# KiCad board SONATA-ONE.kicad_pcb (continued)
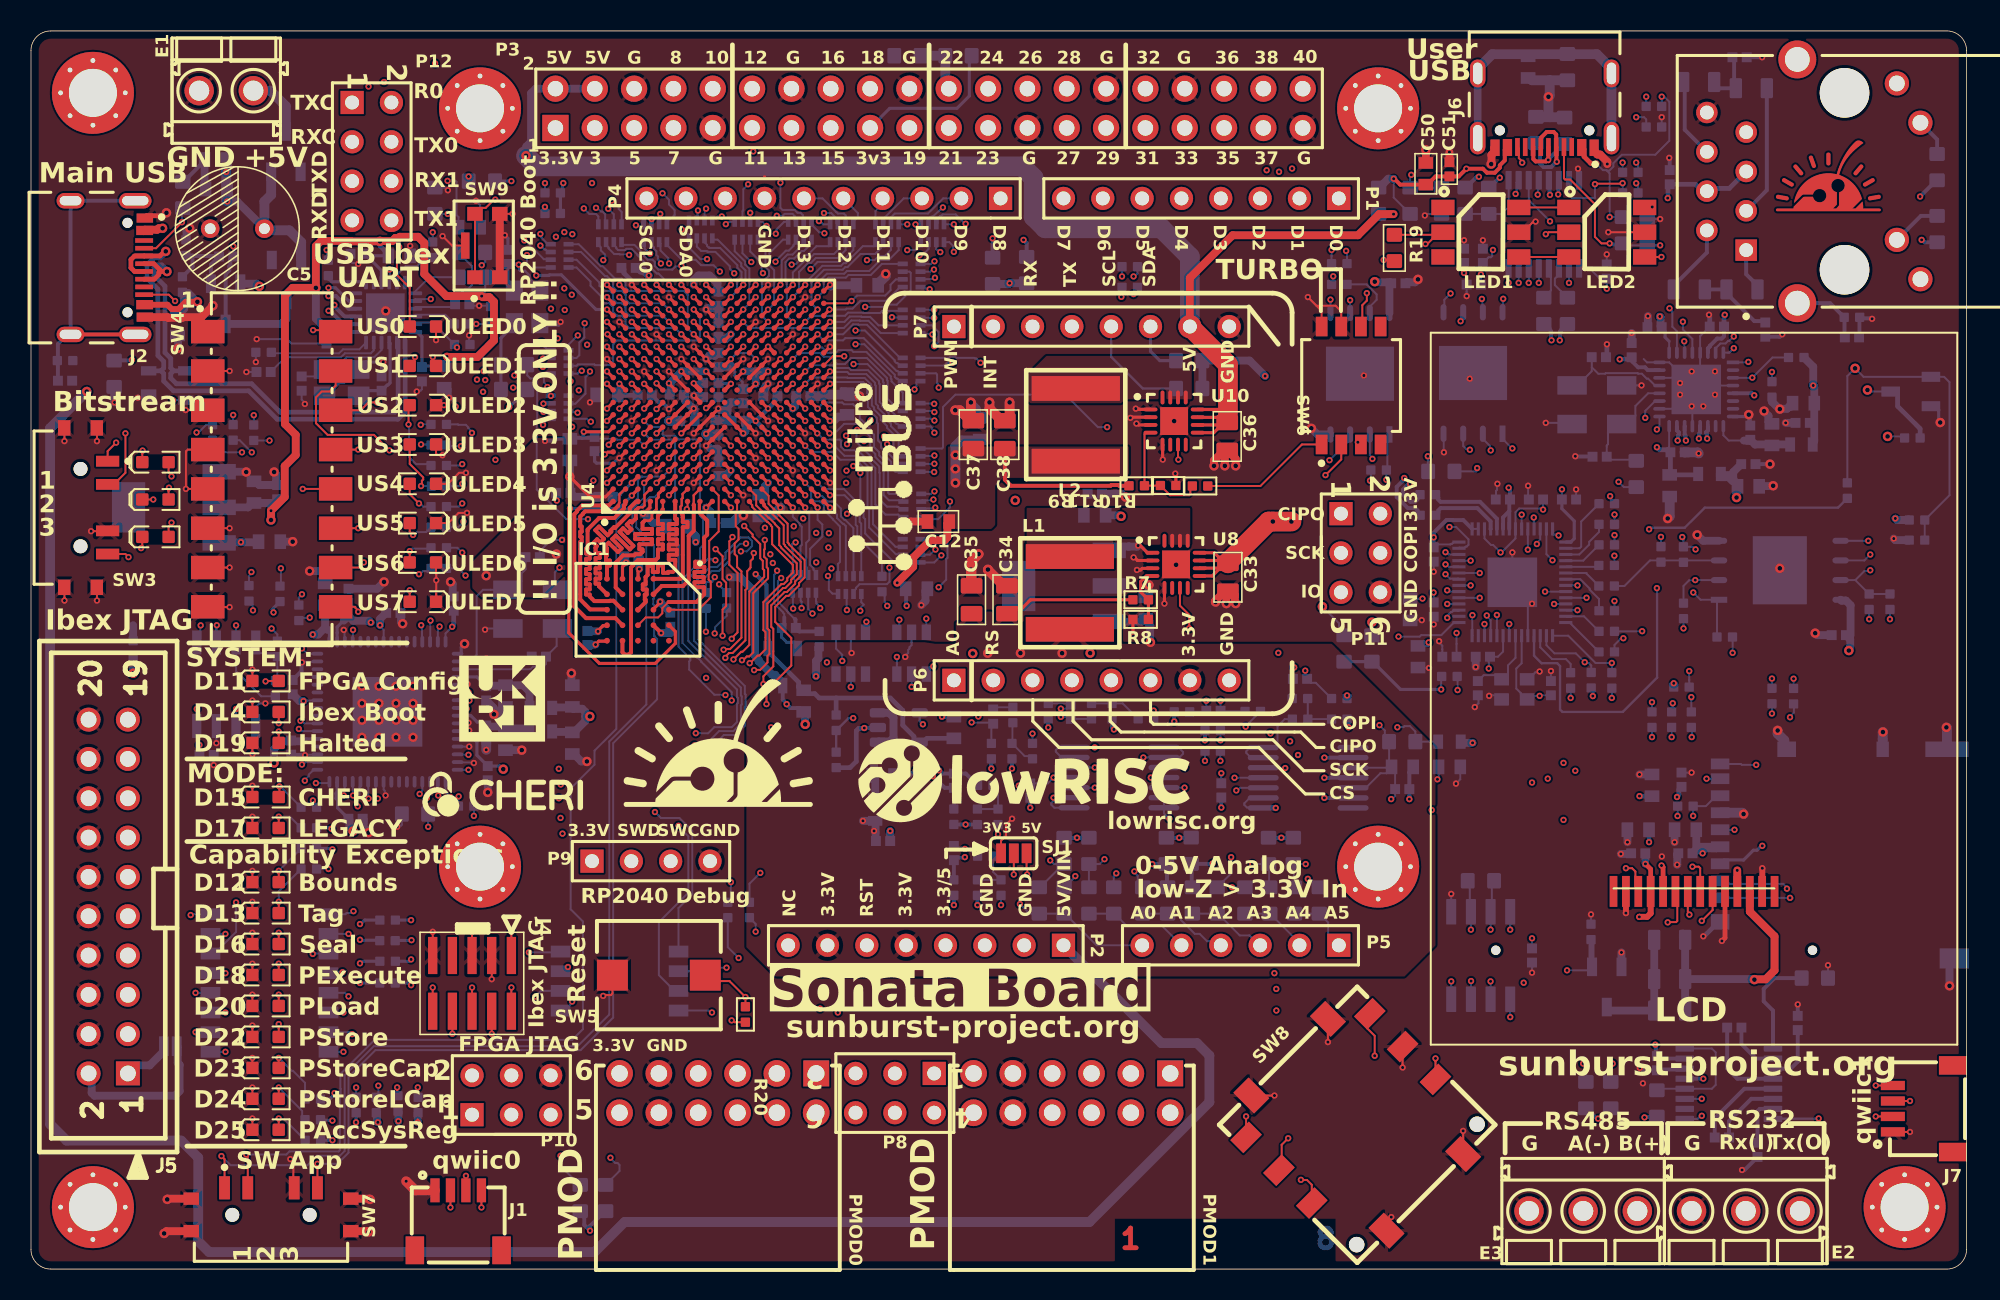
[diagram p0: board, top side]
## Routing (per net, layer and track width the routed paths; a pad name or vN(x,y) marks a point on that pad's centre or on a via; arc(x,y) is an arc through that point) (continued)
/IO Banks 14 + 34 + Flash/LED_HALTED: length 56.2
  Top w0.203: U4.L6 v2(46,53.2)
  In3.Cu w0.127: v2(42.93,34.62) 42.88,34.57 42.55,34.57 42.48,34.5 38,34.5 36.3,36.2 35.4,36.2 28.99,42.61 25.71,42.61 25.61,42.71 22.36,42.71 22.33,42.74 22.14,42.74 21.51,43.37 20.13,43.37 19.39,44.11 17.81,44.11 17.3,43.6
  In6.Cu w0.127: v2(46,53.2) 45.59,52.79 44.91,52.79 44.3,52.18 44.3,48.98 43.92,48.6 43.92,47.37 44.61,46.68 44.61,46.21 v2(44.2,45.8)
  Bottom w0.127: v2(17.5,43.6) 17.5,43.59 17.3,43.39 R159.1 ; v2(42.93,34.62) 42.94,34.62 43.73,34.62 44.13,35.01 45.26,35.01 45.59,35.35 45.59,36.52 45.65,36.58 45.65,36.9 45.59,36.96 45.59,37.44 42.45,40.58 42.45,44.61 43.74,45.9 43.87,45.9 43.91,45.85 44.15,45.85 v2(44.2,45.8)
/IO Banks 14 + 34 + Flash/LED_LEGACY: length 54.6
  Top w0.203: U4.K5 v2(45.2,52.4)
  In3.Cu w0.127: v2(42.85,33.83) 42.85,33.84 39.02,33.84 38.88,33.98 36.91,33.98 35.93,34.96 35.78,34.96 35.33,35.41 32.07,35.41 32,35.35 28.86,35.35 28.52,35.69 27.28,35.69 22.51,30.92 21.76,30.92 21.41,30.56 21.41,30.19 21.49,30.11 21.49,29.74 20.21,28.45 v2(19.41,28.45)
  In4.Cu w0.127: v2(46.18,46.88) 45.89,47.17 45.89,47.27 45.5,47.66 45.5,48.9 45.59,48.99 45.59,52.01 v2(45.2,52.4)
  Bottom w0.127: v2(42.85,33.83) 42.9,33.78 42.9,33.58 43.2,33.29 43.52,33.29 44.74,34.51 45.5,34.51 46.1,35.1 46.1,36.31 46.16,36.37 46.16,37.11 46.1,37.17 46.1,37.68 43.11,40.67 43.11,44.26 43.95,45.1 44.42,45.1 45.1,45.79 45.1,46.19 45.78,46.87 46.17,46.87 v2(46.18,46.88)
  Bottom w0.203: v2(19.41,28.45) 19.34,28.51 R157.1
/IO Banks 14 + 34 + Flash/MICROSD_CLK: length 78.8
  Top w0.203: U4.U6 v2(50.8,53.2)
  In4.Cu w0.127: v2(50.8,53.2) 51.21,52.79 52.29,52.79 52.43,52.65 53.29,52.65 53.49,52.45 54.55,52.45 57.23,49.77 57.23,49.77 58.19,48.81 67.34,48.81 67.92,49.39 77.61,49.39 86.9,40.1 91.02,40.1 91.63,40.71 102.33,40.71 103.04,40 105.73,40 v2(107.09,38.64)
  In6.Cu w0.203: v2(110.02,28.38) 110.02,29.27 107.76,31.52 107.76,32.78 106.82,33.72 106.82,34.66 105.32,36.16 105.32,36.46 107.05,38.19 107.05,38.6 v2(107.09,38.64)
  Bottom w0.127: v2(110.02,28.38) SD1.5 ; R162.1 107.09,38.06 v2(107.09,38.64)
/IO Banks 14 + 34 + Flash/MICROSD_CMD: length 82.6
  Top w0.203: U4.R8 v2(49.2,54.8)
  In4.Cu w0.127: v2(52.67,51.59) 52.74,51.59 52.88,51.45 52.92,51.45 53.04,51.32 53.12,51.32 53.5,50.94 54.91,50.94 56.85,49.01 56.92,49.01 57.5,48.42 57.5,48.35 57.97,47.89 70.71,47.89 70.73,47.9 76.13,47.9 84.8,39.23 91.24,39.23 91.95,39.95 102.02,39.95 104.69,37.28 v2(104.69,36.63)
  In6.Cu w0.127: v2(52.67,51.59) 52.62,51.63 52.62,51.98 51.81,52.79 51.77,52.79 51.76,52.79 50.65,52.79 50.4,53.04 50.4,53.62 50.39,53.63 50.39,54.21 50.19,54.41 49.59,54.41 v2(49.2,54.8)
  In6.Cu w0.203: v2(111.81,27.35) 111.75,27.35 111.47,27.63 111.23,27.63 111.12,27.75 109.64,27.75 107.94,29.45 107.94,30.24 106.33,31.85 106.33,33.33 104.69,34.98 v2(104.69,36.63)
  Bottom w0.127: R163.1 v2(104.69,36.63)
  Bottom w0.203: v2(111.81,27.35) 111.75,27.35 111.47,27.06 111.23,27.06 110.6,26.43 109.33,26.43 SD1.3
/IO Banks 14 + 34 + Flash/MICROSD_DAT0: length 68.9
  Top w0.203: U4.V4 v2(51.6,51.6)
  In4.Cu w0.127: v2(51.6,51.6) 51.68,51.6 51.83,51.45 51.87,51.45 52.25,51.07 52.25,50.64 52.48,50.41 52.58,50.41 52.71,50.28 53.41,50.28 54.45,49.23 55.91,49.23 56.64,48.5 56.71,48.5 57,48.21 57,48.14 57.76,47.38 70.92,47.38 70.94,47.4 75.92,47.4 84.59,38.73 89.48,38.73 90.12,38.1 90.98,38.1 91.47,37.61 91.47,37.16 92.96,35.66 100.73,35.66 104.27,32.12 104.27,31.97 106.14,30.11 106.52,30.11 v2(107.34,29.28)
  Bottom w0.127: SD1.7 108.83,30.58 108.16,29.91 R161.1 v2(107.34,29.28)
/IO Banks 14 + 34 + Flash/MICROSD_DAT1: length 79.8
  Top w0.203: U4.R7 v2(49.2,54)
  In4.Cu w0.127: v2(108.21,31.68) 105.21,31.68 100.97,35.92 93.07,35.92 91.72,37.27 91.72,37.72 91.09,38.35 90.22,38.35 89.59,38.98 84.69,38.98 76.02,47.65 70.83,47.65 70.82,47.63 57.86,47.63 57.25,48.25 57.25,48.32 56.81,48.76 56.74,48.76 56.02,49.48 54.56,49.48 52.98,51.07 52.93,51.07 52.8,51.19 52.48,51.19 52.19,51.49 52.19,51.57 51.76,51.99 50.65,51.99 50.4,52.24 50.4,53.36 50.15,53.61 49.59,53.61 v2(49.2,54)
  In6.Cu w0.203: v2(108.21,31.68) 111.5,31.68 113.21,33.39 113.21,34.25 113.32,34.36 113.32,34.57 113.33,34.58 113.33,35.02 113.32,35.03 113.32,35.32 113.6,35.6 v2(113.6,35.65)
  Bottom w0.127: R160.1 113.85,36.49 113.85,35.96 113.6,35.7 v2(113.6,35.65) ; v2(108.21,31.68) 108.33,31.68 SD1.8
/IO Banks 14 + 34 + Flash/MICROSD_DAT2: length 90.1
  Top w0.203: U4.V5 v2(51.6,52.4)
  In4.Cu w0.127: v2(107.23,36.95) 105.99,36.95 104.73,38.22 104.46,38.22 102.23,40.45 91.74,40.45 91.13,39.84 85.66,39.84 76.37,49.13 68.02,49.13 67.45,48.56 58.09,48.56 58.01,48.63 58.01,48.63 57.13,49.52 57.12,49.52 54.44,52.2 53.39,52.2 53.3,52.28 52.44,52.28 52.32,52.4 v2(51.6,52.4)
  In6.Cu w0.127: v2(113.6,23.98) 113.61,23.99 113.99,23.99 114.78,24.78 114.78,36.27 114.1,36.95 v2(107.23,36.95)
  Bottom w0.127: SD1.1 v2(113.6,23.98) 113.75,23.98 113.75,23.91 ; R165.1 v2(107.23,36.95)
/IO Banks 14 + 34 + Flash/MICROSD_DAT3: length 90.6
  Top w0.203: U4.T8 v2(50,54.8)
  In4.Cu w0.127: v2(53.11,51.89) 53.12,51.9 54.31,51.9 56.95,49.26 57.02,49.26 57.76,48.53 57.76,48.46 58.08,48.14 70.61,48.14 70.62,48.16 76.23,48.16 84.8,39.59 91.23,39.59 91.84,40.2 102.12,40.2 104.36,37.96 104.62,37.96 v2(106.03,36.56)
  In6.Cu w0.127: v2(50,54.8) 50.05,54.75 50.3,54.75 50.64,54.41 50.94,54.41 51.18,54.17 51.18,53.84 51.42,53.59 51.73,53.59 52.05,53.27 52.05,53.03 52.99,52.09 52.99,52.08 53.11,51.96 v2(53.11,51.89) ; v2(106.03,36.56) 113.86,36.56 114.25,36.18 114.25,25.42 v2(113.4,24.58)
  Bottom w0.127: R164.1 106.03,36.07 v2(106.03,36.56) ; v2(113.4,24.58) 113.4,24.65 113.16,24.89 109.28,24.89 SD1.2
/IO Banks 14 + 34 + Flash/QSPI_CS: length 12.1
  In6.Cu w0.127: v2(102.26,48.75) 102.29,48.75 107.33,43.72 v2(107.35,43.72)
  Bottom w0.127: R57.1 v2(102.26,48.75) ; R50.1 108.88,43.12 U17.1 107.82,43.25 v2(107.35,43.72)
/IO Banks 14 + 34 + Flash/QSPI_D0: length 106
  In4.Cu w0.127: v2(44.15,41.07) 44.18,41.1 44.18,41.56 44.53,41.91 47.63,41.91 48.06,41.47 48.06,41.47 48.81,40.72 49.17,40.72 50.6,39.29 50.6,39.08 51.14,38.55 58.44,38.55 58.66,38.77 58.66,38.87 58.85,39.06 77.69,39.06 83.31,33.44 83.69,33.44 83.92,33.21 83.92,32.85 87.75,29.02 v2(98.97,29.02)
  In6.Cu w0.127: v2(118.66,47.06) 114.67,43.07 105.28,43.07 104.85,43.5 104.79,43.5 104.5,43.79 104.5,43.85 v2(102.26,46.1) 101.49,45.33 101.49,42.92 99.18,40.6 98.86,40.6 96.54,38.28 96.54,31.27 97.64,30.17 97.82,30.17 v2(98.97,29.02)
  Bottom w0.127: R60.1 v2(102.26,46.1) ; v2(44.15,41.07) 44.18,41.1 44.18,41.47 44.93,42.22 44.93,42.7 R47.2 ; U17.5 v2(118.66,47.06)
/IO Banks 14 + 34 + Flash/QSPI_D1: length 14.8
  In6.Cu w0.127: v2(107.48,44.52) 107.82,44.86 107.82,46.27 108.1,46.54 108.1,47.64 107.82,47.92 107.82,47.94 105.69,50.08 103.94,50.08 103.8,49.94 v2(101.98,49.94)
  Bottom w0.127: R48.2 106.72,44.14 107.09,44.5 107.47,44.5 v2(107.48,44.52) U17.2 ; R55.1 102.03,49.68 102.03,49.89 v2(101.98,49.94)
/IO Banks 14 + 34 + Flash/QSPI_D2: length 7.4
  Bottom w0.127: U17.3 104.56,45.79 102.91,44.14 R61.1
/IO Banks 14 + 34 + Flash/QSPI_D3: length 23
  In6.Cu w0.127: v2(118.78,45.15) 116.45,42.82 102.61,42.82 v2(102.26,43.16)
  Bottom w0.127: v2(118.78,45.15) 118.73,45.1 118.4,45.1 117.81,44.52 ; R51.2 R45.2 117.81,44.52 ; R63.1 v2(102.26,43.16) ; 117.81,44.52 U17.7
/IO Banks 14 + 34 + Flash/QSPI_SCLK: length 130
  In3.Cu w0.127: v2(90.46,29.66) 90.87,29.66 98.55,37.34 98.55,40.01 102.65,44.11 102.65,46.45 102.26,46.83 v2(102.26,47.42)
  In6.Cu w0.127: v2(102.26,47.42) 105.19,44.5 105.21,44.5 105.5,44.21 105.5,44.19 106.36,43.32 109.85,43.32 114.6,48.07 118.53,48.07 119.29,47.31 119.29,46.68 v2(118.78,46.17) ; v2(90.46,29.66) 86.64,29.66 83.02,26.03 83.02,18.74 80.21,15.93 47.17,15.93 44.52,18.57 44.52,25.7 44.79,25.97 44.79,33.56 43.99,34.36 43.99,38.36 43.59,38.77 v2(43.59,41.18)
  Bottom w0.127: R59.1 v2(102.26,47.42) ; v2(118.78,46.17) 118.4,45.79 U17.6 ; v2(43.59,41.18) 43.59,42.69 R52.1
/IO Banks 14 + 34 + Flash/RP2040_CLK: length 78.4
  Top w0.203: U4.T14 v2(50,60.4)
  In4.Cu w0.127: v2(53.8,53.5) 53.8,55.13 53.73,55.2 53.3,55.2 52.12,56.38 52.12,59.78 51.89,60.01 50.39,60.01 v2(50,60.4) ; v2(96.94,31.44) 95.67,32.71 85.45,32.71 76.31,41.84 75.64,41.84 74.62,42.87 73.62,42.87 73.36,42.61 65.72,42.61 65.63,42.52 58.31,42.52 57.89,42.94 57.89,43.06 57.66,43.29 57.54,43.29 56.82,44.02 56.82,44.03 55.94,44.9 55.31,44.9 54.94,45.27 v2(51.69,45.27)
  In6.Cu w0.127: v2(51.69,45.27) 52.1,45.68 52.1,47.1 54.53,49.53 54.53,52.77 v2(53.8,53.5) ; v2(96.94,31.44) 96.94,32.96 99.48,35.5 99.48,36.86 v2(99.43,36.9)
  Bottom w0.127: v2(99.43,36.9) R70.1
/IO Banks 14 + 34 + Flash/RP2040_PREQ: length 49.9
  In1.Cu w0.127: v2(80.55,39.82) 78.58,41.79 74.64,41.79 74.15,41.31 72.9,41.31 72.4,41.81 71.57,41.81 70.94,42.45 55.7,42.45 v2(55.3,42.85)
  In3.Cu w0.127: v2(99.87,44.17) 93.53,44.17 91.94,42.58 90.96,42.58 90.19,41.82 90.19,41.75 89.71,41.26 82,41.26 v2(80.55,39.82)
  Bottom w0.127: R171.2 55.13,43.59 55.13,43.1 55.3,42.93 v2(55.3,42.85) ; U11.8 v2(99.87,44.17)
/IO Banks 14 + 34 + Flash/RP2040_RX: length 83.2
  Top w0.203: U4.M17 v2(46.8,62.8)
  In4.Cu w0.127: v2(46.8,62.8) 47.19,62.41 49.35,62.41 49.61,62.15 49.61,57.04 50.04,56.6 51.1,56.6 51.71,55.99 51.73,55.99 52.7,55.03 52.7,54.31 52.64,54.24 v2(52.64,53.85) ; v2(98.97,32.71) 98.07,33.61 92.68,33.61 92.01,34.28 90.79,34.28 88.56,36.52 82.71,36.52 76.63,42.6 76.29,42.6 76,42.89 76,43.23 75.6,43.63 73.85,43.63 73.57,43.9 72.83,43.9 72.55,43.63 65.55,43.63 65.21,43.28 58.67,43.28 58.66,43.3 58.66,43.38 57.98,44.06 57.9,44.06 57.57,44.39 57.57,45.3 56.63,46.24 55.77,46.24 54.46,47.55 v2(51.53,47.55)
  In6.Cu w0.127: v2(52.64,53.85) 52.71,53.85 52.87,53.69 52.89,53.69 52.89,53.67 53.1,53.46 53.1,53.14 53.46,52.79 53.48,52.79 53.62,52.65 54.28,51.99 54.28,50.77 52.7,49.19 52.54,49.19 52.08,48.74 52.08,48.1 v2(51.53,47.55) ; v2(98.97,32.71) 99.48,33.21 99.48,33.72 101.51,35.75 101.51,36.32 v2(102.09,36.9)
  Bottom w0.127: R68.1 v2(102.09,36.9)
/IO Banks 14 + 34 + Flash/RP2040_SPARE: length 71.5
  Top w0.203: U4.P4 v2(48.4,51.6)
  In4.Cu w0.127: v2(97.95,31.69) 96.68,32.96 85.55,32.96 76.41,42.1 76.08,42.1 75.5,42.68 75.5,43.01 75.39,43.12 73.64,43.12 73.36,43.39 73.04,43.39 72.76,43.12 65.76,43.12 65.42,42.78 58.42,42.78 58.15,43.05 58.15,43.17 57.77,43.55 57.65,43.55 57.06,44.14 57.06,44.9 56.24,45.72 53.97,45.72 53.92,45.66 51.65,45.66 51.65,45.66 51.53,45.66 51.48,45.61 50.76,45.61 v2(50.71,45.66)
  In6.Cu w0.127: v2(100.86,37.02) 100.86,35.87 97.95,32.96 v2(97.95,31.69) ; v2(48.4,51.6) 48.01,51.21 47.27,51.21 47.19,51.13 47.19,49.06 46.97,48.84 46.97,47.77 47.23,47.51 47.7,47.51 48.3,46.9 48.3,46.8 49.44,45.66 v2(50.71,45.66)
  Bottom w0.127: R69.1 100.86,37.44 v2(100.86,37.02)
/IO Banks 14 + 34 + Flash/RP2040_TX: length 93
  Top w0.254: U4.K18 v2(45.2,63.6)
  In4.Cu w0.127: v2(50.71,47.57) 51.26,47.02 54.63,47.02 55.66,45.99 56.52,45.99 57.31,45.2 57.31,44.28 57.8,43.8 57.87,43.8 58.4,43.27 58.4,43.2 58.57,43.03 65.31,43.03 65.66,43.37 72.66,43.37 72.93,43.65 73.47,43.65 73.74,43.37 75.5,43.37 75.75,43.12 75.75,42.79 76.19,42.35 76.52,42.35 85.66,33.21 96.79,33.21 97.81,32.2 v2(99.73,32.2) ; v2(45.2,63.6) 45.59,63.21 45.59,60.25 45.84,60 47.76,60 48,59.76 48,55.4 48.19,55.21 52.09,55.21 52.31,54.99 52.31,54.07 52.24,54.01 52.24,53.68 52.63,53.3 v2(52.7,53.3)
  In6.Cu w0.127: v2(52.7,53.3) 52.7,53.22 52.85,53.08 52.85,53.04 53.35,52.53 53.38,52.53 53.51,52.4 53.51,52.4 54.02,51.89 54.02,50.88 52.59,49.45 52.43,49.45 51.83,48.84 51.83,48.68 v2(50.71,47.57) ; v2(99.73,32.2) 99.73,33.47 102.84,36.57 v2(102.84,40.76)
  Bottom w0.127: v2(102.84,40.76) 102.78,40.71 102.64,40.71 102.26,40.33 R66.1
/IO Banks 15 + 16/RGBLED0: length 149.9
  Top w0.203: v2(39.6,55.6) U4.D9
  In1.Cu w0.127: v2(51.4,39.2) 51.32,39.2 51.19,39.34 49.02,39.34 48.79,39.57 48.11,39.57 47.4,38.86 47.4,38.84 46.86,38.31 46.54,38.31 46.34,38.5 44.25,38.5 43.99,38.25 43.65,38.25 v2(43.6,38.2)
  In3.Cu w0.127: v1(117.8,58.2) 117.8,53.9 112.61,48.71 106.19,48.71 105.91,49 105.49,49 104.86,48.36 97.81,48.36 97.26,48.91 97.26,50.6 96.49,51.36 89,51.36 87.62,52.74 75.52,52.74 75.44,52.67 75.44,41.24 75.21,41.01 73.45,41.01 72.56,41.9 62.57,41.9 60.94,40.27 60.61,40.27 60.29,39.95 55.76,39.95 55.22,39.41 52.83,39.41 52.38,39.86 52.06,39.86 v2(51.4,39.2) ; v2(39.6,55.6) 39.21,55.99 36.59,55.99 36.49,55.89 36.49,55.84 36.26,55.61 36.21,55.61 35.31,54.71 35.23,54.71 v2(34.95,54.42)
  In4.Cu w0.127: v2(34.95,54.42) 35,54.37 35,52.5 34.3,51.8 34.3,50.3 35.58,49.02 35.58,45.66 43.04,38.2 v2(43.6,38.2)
  Bottom w0.127: R210.1 117.3,57.7 v1(117.8,58.2) 118.35,57.65 Q3.1 123.55,57.65 123.9,57.3 123.9,50 R193.2 R205.1
/IO Banks 15 + 16/USRLED0: length 17.1
  Top w0.203: v2(38,59.6) U4.B13
  In4.Cu w0.127: v2(38,59.6) 37.59,60.01 36.19,60.01 35.41,60.79 32.35,60.79 30.49,58.93 30.49,56.53 30.35,56.4 30.35,56.21 29.68,55.53 29.48,55.53 29.35,55.39 29.35,54.9 v2(28.48,54.03)
  Bottom w0.127: v2(28.48,54.03) 28.48,54.1 28.24,54.34 28.24,54.39 28.08,54.55 27.61,54.55 27.58,54.58 R138.1
/IO Banks 15 + 16/USRLED1: length 17.9
  Top w0.203: v2(38,60.4) U4.B14
  In4.Cu w0.127: v2(38,60.4) 37.59,60.81 37.04,60.81 36.33,61.51 34.45,61.51 34.36,61.59 34.04,61.59 33.48,61.04 32.25,61.04 30.24,59.03 30.24,56.64 30.1,56.5 30.1,56.31 29.57,55.78 29.38,55.78 29.09,55.5 29.09,55.2 27.7,53.81 27.7,53.64 27.76,53.57 27.76,53.19 v2(27.77,53.18)
  Bottom w0.127: v2(27.77,53.18) 26.91,53.18 R140.1
/IO Banks 15 + 16/USRLED2: length 19
  Top w0.203: v2(38.8,58.8) U4.C12
  In3.Cu w0.127: v2(38.8,58.8) 38.4,58.4 36.62,58.4 36.06,58.95 33.93,58.95 33.4,59.48 32.69,59.48 32.47,59.7 31.2,59.7 30.57,59.07 30.57,57.31 30.48,57.22 30.48,57.13 30.39,57.04 30.39,56.47 29.98,56.07 29.98,54.14 v2(27.85,52.01)
  Bottom w0.127: v2(27.85,52.01) 27.76,51.92 R142.1
/IO Banks 15 + 16/USRLED3: length 19.6
  Top w0.203: v2(38,58.8) U4.B12
  In4.Cu w0.127: v2(27.85,50.74) 28.17,51.06 28.25,51.06 29.6,52.41 29.6,54.97 30.61,55.97 30.61,56.29 30.75,56.43 30.75,58.82 32.46,60.53 34.22,60.53 35.27,59.48 35.38,59.48 35.64,59.22 36.58,59.22 36.61,59.19 37.61,59.19 v2(38,58.8)
  Bottom w0.127: v2(27.85,50.74) 27.7,50.59 R144.1
/IO Banks 15 + 16/USRLED4: length 18.4
  Top w0.203: v2(38,58) U4.B11
  In3.Cu w0.127: v2(38,58) 37.61,57.61 35.45,57.61 35.02,58.04 34.44,58.04 34.16,57.76 32.55,57.76 31.35,56.56 31.2,56.56 30.49,55.86 30.49,55.53 31.08,54.94 31.08,52.7 v2(27.85,49.47)
  Bottom w0.127: v2(27.85,49.47) 27.64,49.26 R147.1
/IO Banks 15 + 16/USRLED5: length 21.7
  Top w0.203: v2(37.2,58) U4.A11
  In3.Cu w0.127: 29.88,52.52 30.82,53.46 30.82,54.84 30.24,55.42 30.24,55.96 30.74,56.46 30.74,57.12 30.82,57.2 30.82,58.74 30.99,58.91 32.47,58.91 32.78,59.22 33.23,59.22 34,58.46 36.2,58.46 36.66,58 v2(37.2,58) ; 29.88,52.52 29.88,52.48 30,52.36 v2(30,52.29) ; 29.88,52.52 28.92,51.56 28.92,51.25 27.46,49.79 27.46,48.78 v2(27.93,48.31)
  Bottom w0.127: R149.1 27.58,47.93 27.93,48.28 v2(27.93,48.31)
/IO Banks 15 + 16/USRLED6: length 31.7
  Top w0.203: v2(41.2,59.6) U4.F13
  In1.Cu w0.127: v2(33.58,62.06) 33.64,62 33.64,61.71 33.75,61.6 33.75,60.67 33.63,60.55 33.63,59.67 34.1,59.2 40.8,59.2 v2(41.2,59.6)
  In4.Cu w0.127: v2(33.58,62.06) 33.58,61.98 33.39,61.79 33.39,61.78 33.3,61.69 32.18,61.69 29.73,59.24 29.73,56.85 29.59,56.71 29.59,56.52 29.36,56.29 29.17,56.29 27.12,54.24 27.12,47.02 v2(27.85,46.3)
  Bottom w0.127: R151.1 27.54,46.61 v2(27.85,46.3)
/IO Banks 15 + 16/USRLED7: length 32.9
  Top w0.203: v2(41.2,60.4) U4.F14
  In1.Cu w0.127: v2(41.2,60.4) 40.8,60.8 37.07,60.8 37,60.72 35.59,60.72 35.08,61.24 35.08,61.32 34.47,61.92 v2(34.47,61.97)
  In4.Cu w0.127: v2(25.06,44.9) 27.01,44.9 28.24,46.13 28.24,47.44 27.38,48.3 27.38,53.84 28.84,55.31 28.84,55.6 29.27,56.04 29.47,56.04 29.84,56.42 29.84,56.61 29.98,56.75 29.98,59.14 32.14,61.29 33.38,61.29 34.06,61.97 v2(34.47,61.97)
  Bottom w0.127: R153.1 25.66,45.1 25.33,45.1 25.13,44.9 v2(25.06,44.9)
/IO Banks 15 + 16/USRSW0: length 29.7
  Top w0.127: SW4.16 19.58,60.67 v2(18.22,60.67)
  Top w0.203: v2(39.6,58.8) U4.D12
  In4.Cu w0.127: v2(39.6,58.8) 39.6,58.88 39.45,59.03 39.45,59.07 39.21,59.31 39.21,63.75 38.96,63.99 36.15,63.99 35.96,63.81 29.49,63.81 27.21,61.53 23.23,61.53 23.12,61.42 22.71,61.42 22.6,61.53 19.09,61.53 18.23,60.67 v2(18.22,60.67)
/IO Banks 15 + 16/USRSW1: length 31.9
  Top w0.127: SW4.15 19.68,57.08 19.3,56.7 18.78,56.7 18.41,56.33 18.41,54.65 19.16,53.9 22.15,53.9 v2(23.15,52.9)
  Top w0.203: v2(39.6,59.6) U4.D13
  In1.Cu w0.127: v2(27.43,55.73) 25.86,54.16 24.41,54.16 v2(23.15,52.9)
  In3.Cu w0.127: v2(39.6,59.6) 39.21,59.21 34.03,59.21 33.37,59.87 33.37,60.03 33.14,60.26 31.41,60.26 30.26,59.12 30.26,57.36 30.01,57.11 30.01,56.45 29.29,55.73 27.43,55.73 v2(27.43,55.73)
/IO Banks 15 + 16/USRSW2: length 25.2
  Top w0.127: v2(22.36,56) 21.8,56 21.29,55.49 SW4.14
  Top w0.203: v2(38,62) U4.B16
  In1.Cu w0.127: v2(34.44,63.37) 34.44,62.54 34.61,62.37 34.63,62.37 34.87,62.14 34.87,62.11 35.37,61.61 37.61,61.61 v2(38,62)
  In4.Cu w0.127: v2(34.44,63.37) 34.41,63.37 34.05,63.01 33.26,63.01 33.08,62.83 31.07,62.83 28.92,60.67 28.51,60.67 28.45,60.72 24.3,60.72 22.36,58.78 v2(22.36,56)
/IO Banks 15 + 16/USRSW3: length 25.7
  Top w0.127: SW4.13 v2(21.13,52.95)
  Top w0.203: v2(38,62.8) U4.B17
  In1.Cu w0.127: v2(38,62.8) 37.6,62.4 34.96,62.4 34.89,62.47 34.89,62.92 v2(34.92,62.96)
  In4.Cu w0.127: v2(34.92,62.96) 34.36,62.96 34.15,62.75 33.36,62.75 33.16,62.55 31.16,62.55 28.54,59.94 27.68,59.94 27.67,59.94 26.64,59.94 26.32,59.63 24.58,59.63 22.86,57.91 22.86,54.73 21.13,53 v2(21.13,52.95)
/IO Banks 15 + 16/USRSW4: length 30
  Top w0.127: v2(17.55,50.41) SW4.12
  Top w0.203: v2(37.2,61.2) U4.A15
  In4.Cu w0.127: v2(17.55,50.41) 19.15,50.41 23.12,54.38 23.12,57.8 24.67,59.36 27.03,59.36 27.23,59.16 28.12,59.16 31.26,62.3 33.27,62.3 33.42,62.45 34.55,62.45 34.65,62.35 36.05,62.35 v2(37.2,61.2)
/IO Banks 15 + 16/USRSW5: length 30.3
  Top w0.127: SW4.11 v2(21.13,47.87)
  Top w0.203: v2(37.2,62) U4.A16
  In3.Cu w0.203: v2(32.63,64.2) 32.58,64.2 32.25,63.87 31.91,63.87 31.34,63.3 28.83,63.3 25.23,59.71 25.23,57.63 23.95,56.35 23.95,50.69 v2(21.13,47.87)
  Bottom w0.203: v2(32.63,64.2) 33.45,64.2 33.49,64.24 34.25,64.24 36.49,62 v2(37.2,62)
/IO Banks 15 + 16/USRSW6: length 29.5
  Top w0.127: v2(21.5,45.66) 21.17,45.33 SW4.10
  Top w0.203: v2(37.2,59.6) U4.A13
  In3.Cu w0.127: v2(35.92,59.73) 35.86,59.67 35.53,59.67 35.46,59.6 34.85,59.6 34.7,59.74 33.86,59.74 33.63,59.97 33.63,60.14 32.48,61.28 32.06,61.28 30.01,59.23 30.01,57.78 29.76,57.52 29.76,56.56 29.5,56.3 29.39,56.3 29.25,56.44 29.25,56.63 v2(29.2,56.68)
  In4.Cu w0.203: v2(35.92,59.73) 35.97,59.73 36.1,59.6 v2(37.2,59.6)
  In6.Cu w0.127: v2(29.2,56.68) 29.14,56.63 29.14,56.39 29.06,56.31 29.12,56.25 29.12,56.14 28.97,56 28.93,56 28.7,55.76 28.7,55.73 24.66,51.69 24.66,48.82 v2(21.5,45.66)
/IO Banks 15 + 16/USRSW7: length 32.1
  Top w0.127: SW4.9 20.93,42.79 20.95,42.77 20.95,42.73 21.13,42.55 v2(21.13,42.47)
  Top w0.203: U4.A14 37.6,60.02 37.23,60.38 v2(37.23,60.4)
  In3.Cu w0.127: v2(37.23,60.4) 36.03,60.4 35.57,59.93 34.87,59.93 34.27,60.53 33.62,60.53 32.61,61.53 31.96,61.53 29.76,59.33 29.76,57.88 29.34,57.46 v2(29.34,57.44)
  In6.Cu w0.127: v2(21.13,42.47) 21.11,42.5 21.11,47.29 24.41,50.59 24.41,51.79 28.45,55.83 28.45,55.87 28.8,56.23 28.8,56.33 28.61,56.52 28.61,56.85 28.84,57.08 29,57.08 29.34,57.42 v2(29.34,57.44)
/PWRIN_5V: length 380.1
  Top w0.127: R19.2 87.98,65.2 v2(87.36,65.2) ; v2(64.34,25.49) 64.34,25.85 64.3,25.89 SJ1.3
  Top w0.203: 76.79,45.29 77.1,45.6 ; 76.79,45.29 76.99,45.29 C33.1 ; 76.79,45.29 76.28,44.78 U8.9 ; 76.79,45.29 75.48,45.29 U8.10 ; 77.1,45.6 76.92,45.78 ; 77.1,45.6 C33.1 ; C33.1 77.12,45.78 76.92,45.78 ; 77.3,55.3 77.06,55.54 U10.12 ; 76.92,45.78 76.42,46.28 U8.12 ; 76.92,45.78 U8.11 ; U10.10 76.88,54.54 ; 76.88,54.54 77.04,54.7 C36.1 76.92,55.03 75.36,55.03 U10.11 ; 76.88,54.54 76.38,54.04 U10.9
  Top w0.508: P7.7 74.84,64.04 77.6,66.8 85.7,66.8 87.06,68.16 v2(88,68.16)
  Top w1.27: P7.7 77.3,58.44 77.3,55.3 ; v1(81.4,48.3) v1(80.2,48.3) 79.93,48.3 77.3,45.67 C33.1
  In1.Cu w1.27: v1(81.4,48.3) v1(80.2,48.3) 80.2,52.3 77.1,55.4 77.1,58.64 P7.7
  In4.Cu w0.305: P2.1 66.68,23.15 v2(64.34,25.49)
  In4.Cu w0.508: v2(87.36,65.2) 88,65.84 v2(88,68.16) ; C5.1 15.05,67.22 14.1,68.17 13.43,68.17 12.61,68.99 v2(12.61,70.89) ; v2(13.56,46.96) 13.56,49.04 7.7,54.9 5.58,54.9 4.82,55.67 4.82,68.91 6,70.1 6,71.8 7.1,72.9 17.06,72.9
  In4.Cu w0.635: v1(3.6,56.7) 3.82,56.92 4.82,56.92
  In4.Cu w1.27: C5.1 17.06,69.21 17.06,76.6 18.25,77.79 24.33,77.79 25.08,77.05 25.08,72.68 26.17,71.59 30.41,71.59 30.76,71.94 v1(31.97,71.94)
  Bottom w0.127: v2(13.56,46.96) 13.51,46.92 13.38,46.92 U2.3 ; v2(12.68,68.98) 12.68,69.16 C2.1
  Bottom w0.508: U2.3 12.2,46.96 14.66,46.96 C39.1 ; C5.1 13.31,68.98 v2(12.68,68.98) ; v2(88,68.16) 87.05,68.16 R41.2 ; v1(31.97,71.94) 31.99,71.96 31.99,72.53 32.3,72.84 32.3,75.97 32.59,76.27 P3.2 P3.4
  Bottom w0.635: Q4.2 15.51,69.41 15.07,68.97 C5.1 15.18,67.12 16.68,67.12 17.45,66.35 Q5.2 ; v2(12.68,68.98) 12.61,69.05 v2(12.61,70.89) C3.1 ; v1(3.6,56.7) 1.24,54.34 1.24,9.36 2.3,8.3 9.7,8.3 10.8,7.2 10.8,1.8 11.5,1.1 36.4,1.1 38.34,3.04 68.36,3.04 76.1,10.78 76.1,13.8 75.3,14.6 73,14.6 P2.1
  Bottom w1.27: 74.8,60.86 P7.7 74.84,65.41 73,67.25 65.49,67.25 64.75,67.99 64.75,70.51 64.01,71.25 32.66,71.25 v1(31.97,71.94)
/RP2040/RP2040_LED0: length 172.3
  Top w0.127: D26.K 7.19,52.87 v2(7.21,52.89)
  In6.Cu w0.127: v2(7.21,52.89) 7.25,52.93 7.25,53.28 9.08,55.11 10.15,55.11 12.43,57.39 12.43,63.21 13.67,64.45 13.67,72.3 19.55,78.17 21.04,78.17 21.47,78.6 25.53,78.6 25.78,78.86 30.6,78.86 30.85,78.6 81.99,78.6 84.16,76.43 84.16,72.56 88.39,68.33 88.39,67.34 90.7,65.04 98.93,65.04 101.24,62.73 101.24,43.02 99.07,40.85 97.11,40.85 93.02,36.76 90.93,36.76 87.92,39.77 87.92,41.19 88,41.26 91.2,41.26 92.49,42.55 92.49,43.01 93.37,43.88 93.37,44.34 92.17,45.53 v2(91.35,45.53)
  Bottom w0.127: v2(91.35,45.53) 91.43,45.53 91.58,45.37 U11.38
/RP2040/RP2040_LED1: length 146.9
  Top w0.127: D27.K v2(7.9,49.72)
  In6.Cu w0.127: v2(7.9,49.72) 8.52,50.34 8.52,50.61 8.55,50.63 8.55,51.7 9.86,53.02 9.86,53.78 11.87,55.79 12.3,55.79 14.31,57.8 14.31,58.2 14.13,58.37 14.13,64.19 14.28,64.34 14.28,72.19 19.76,77.66 21.25,77.66 21.69,78.09 25.74,78.09 25.99,78.35 30.39,78.35 30.64,78.09 81.78,78.09 83.65,76.22 83.65,71.76 85.03,70.37 85.39,70.37 85.65,70.11 85.65,69.75 86.11,69.3 86.11,68.9 91.58,63.43 91.84,63.43 92.01,63.26 93.68,63.26 100.18,56.76 100.18,47.16 98.42,45.41 97.19,45.41 96.27,46.32 96.27,46.73 96.2,46.8 96.18,46.8 96.1,46.88 94.92,46.88 93.61,45.56 93.61,45.03 v2(93.56,44.97)
  Bottom w0.127: U11.37 v2(93.56,44.97)
/RP2040/RP2040_LED2: length 142.1
  Top w0.127: D28.K 7.19,46.72 7.11,46.64 v2(7.11,46.58)
  In6.Cu w0.127: v2(91.35,44.9) 90.19,46.05 90.19,48.82 90.6,49.23 90.6,60.68 85.04,66.24 79.96,66.24 78.44,67.76 78.44,71.14 79.45,72.15 79.81,72.15 80.81,73.15 80.81,73.98 80.02,74.77 79.26,74.77 78.22,75.81 78.22,76.57 77.48,77.31 30.71,77.31 30.18,77.84 26.51,77.84 26.49,77.83 26.49,77.74 26.26,77.51 26.17,77.51 26.01,77.35 25.19,77.35 25.13,77.41 19.86,77.41 19,76.54 19,70.03 15.75,66.78 15.75,57.07 15.8,57.02 15.8,52.14 15.66,52 15.49,52 15.2,51.71 15.2,51.54 10.24,46.58 v2(7.11,46.58)
  Bottom w0.127: v2(91.35,44.9) 91.64,44.61 92.18,44.61 U11.36
/RP2040/RP2040_N: length 99.1
  In1.Cu w0.254: v2(19.21,62.87) 19.24,62.9 19.35,62.9 19.39,62.93 24.74,62.93 27.76,65.95 28.71,65.95 30.08,67.32 32.68,67.32 33.14,67.77 34.09,67.77 35.37,69.05 36.88,69.05 38.38,70.55 47.73,70.55 48.74,71.57 84.36,71.57 85.89,70.04 85.89,67.08 86.76,66.21 88.45,66.21 90.46,64.2 90.46,53.99 89.34,52.88 89.34,51.68 88.85,51.19 88.8,51.19 88.73,51.12 v2(88.69,51.12)
  Bottom w0.254: v2(88.69,51.12) 88.69,51.08 88.61,51 88.61,50.95 88.2,50.54 88.2,49.89 88.92,49.17 89.39,49.17 89.54,49.02 89.54,48.88 R58.1 ; v2(19.21,62.87) 19.7,62.87 20.52,62.05 U12.4
/RP2040/RP2040_NRST: length 129.3
  In1.Cu w0.127: v2(80.05,34.61) 77.82,34.61 76.98,33.77 70.81,33.77 63.25,26.22 48.5,26.22 47.16,27.55 42.35,27.55 41.38,28.53 34.27,28.53 33.95,28.84 28.49,28.84 28.22,29.11 25.93,29.11 20.88,34.15 20.88,34.23 16.91,38.2 16.91,45.07 16.17,45.81 16.17,51.27 16.2,51.29 16.2,51.71 16.17,51.73 16.17,53.38 16.11,53.44 16.11,53.76 16.17,53.82 16.17,63.48 18.93,66.24 20.67,66.24 21,65.91 22.76,65.91 23.84,66.99 v2(25.95,66.99)
  In3.Cu w0.127: v2(80.05,34.61) 89.33,34.61 v2(92.13,37.41)
  In6.Cu w0.127: v2(93.87,41.68) 92.1,39.92 92.1,37.44 v2(92.13,37.41)
  Bottom w0.127: R71.1 92.13,38.26 v2(92.13,37.41) ; U11.26 v2(93.87,41.68) ; R74.2 v2(25.95,66.99)
/RP2040/RP2040_P: length 99.1
  In1.Cu w0.254: v2(89.06,50.74) 89.06,50.78 89.14,50.86 89.14,50.91 89.75,51.52 89.75,52.71 90.87,53.82 90.87,64.37 88.62,66.62 86.93,66.62 86.3,67.25 86.3,70.21 84.53,71.97 48.57,71.97 47.56,70.96 38.21,70.96 36.71,69.46 35.2,69.46 33.92,68.18 32.97,68.18 32.52,67.73 29.91,67.73 28.54,66.35 27.59,66.35 24.57,63.34 19.39,63.34 19.35,63.37 19.24,63.37 v2(19.21,63.4)